# Allegro board C000PD020-3399PRO-DMEB-A-A01.brd (continued)
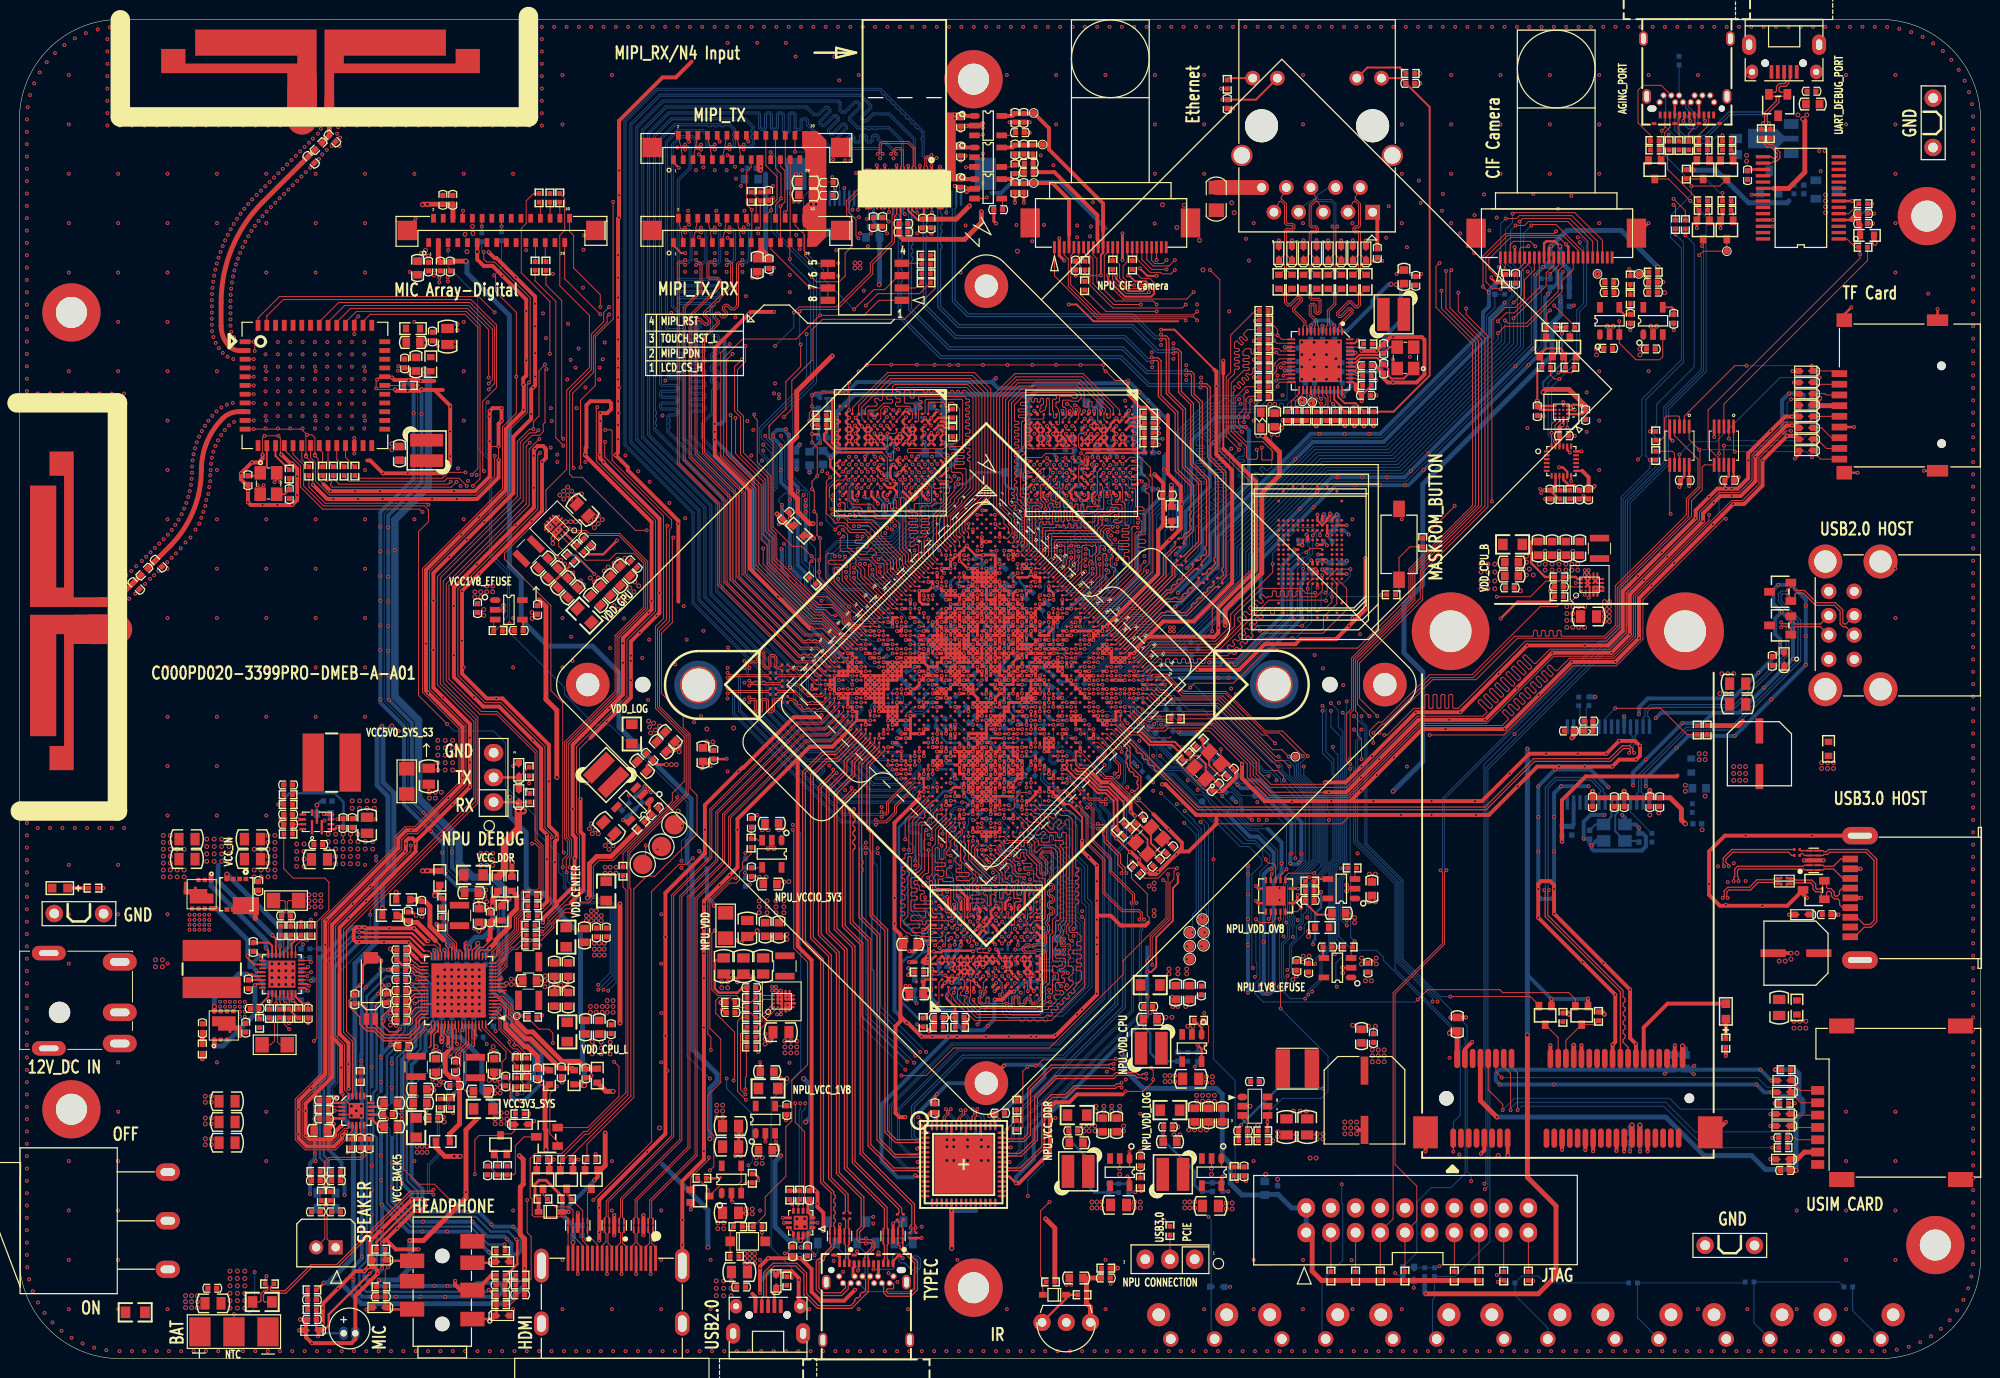
[diagram p0: board, top side]
## Routing (per net, layer and track width the routed paths; a pad name or vN(x,y) marks a point on that pad's centre or on a via; arc(x,y) is an arc through that point) (continued)
PCIE_PERST_3V3_L: length 6
  TOP w0.102: J8300.22 159.13,32.74 Q8300.3 162.09,34.37 R8302.2
PCIE_PERST_L: length 73.2
  TOP w0.102: v1(143.89,36.94) 144.91,37.96 152.32,37.96 152.63,37.65 159.44,37.65 160.11,36.98 Q8300.2 ; U1000.H38 v1(113.74,67.05)
  BOTTOM w0.102: v1(113.74,67.05) 113.74,66.48 114.73,65.49 114.73,64.6 116.28,63.05 116.28,61.86 117.88,60.26 118.78,60.26 121.01,58.02 121.79,58.02 122.35,57.47 122.35,57.31 126.37,53.3 127.13,53.3 128.65,51.78 128.65,51.06 127.64,50.05 127.64,39.08 127.13,38.57 127.13,37.55 127.99,36.69 143.64,36.69 v1(143.89,36.94)
PCIE_PWREN_H: length 68.3
  TOP w0.102: U1000.D36 v1(114.66,69.81) ; v1(129.77,36.03) 129.77,37.76 v1(130.38,38.36)
  TOP w0.254: U8300.4 v1(128.43,24.34) 128.43,23.47 R8309.1
  BOTTOM w0.089: v1(114.66,69.81) 115.12,69.81 115.44,69.49 115.9,69.03 118.27,69.03 118.59,69.35
  BOTTOM w0.102: v1(128.43,24.34) 128.43,25.24 129.97,26.78 133.93,26.78 134.65,27.49 134.65,31.15 v1(129.77,36.03) ; v1(130.38,38.36) 130.38,38.97 130.07,39.28 130.07,42.63 130.68,43.24 130.68,44.36 130.99,44.66 130.99,45.07 130.68,45.38 130.68,48.63 133.32,51.27 133.32,57.14 129.92,60.55 129.92,61.07 129.61,61.38 128.8,61.38 120.78,69.4 118.64,69.4 118.59,69.35
PCIE_REF_CLKN: length 13.2
  TOP w0.102: C9932.2 109.81,57.68 110.02,57.47 110.99,57.47 111.24,57.21 111.62,57.21 111.78,57.06 v1(111.79,57.06) ; U1000.P37 v1(110.52,64.76)
  BOTTOM w0.089: 112.17,62.93 112.15,62.95 112.15,62.95 110.52,64.57 v1(110.52,64.76)
  BOTTOM w0.102: v1(111.79,57.06) 111.99,57.26 112.6,57.26 113.11,57.77 113.11,58.58 113.82,59.29 113.82,61.28 112.17,62.93
PCIE_REF_CLKP: length 13.2
  TOP w0.102: v1(111.79,57.57) 111.63,57.41 111.33,57.41 111.07,57.67 110.11,57.67 109.95,57.83 C9931.2 ; U1000.P36 v1(110.06,65.22)
  BOTTOM w0.089: 112.03,62.79 112.01,62.8 112.01,62.81 111.72,63.1 111.72,63.1 110.06,64.76 v1(110.06,65.22)
  BOTTOM w0.102: 112.03,62.79 113.61,61.2 113.61,59.38 112.9,58.67 112.9,57.85 112.51,57.47 111.89,57.47 v1(111.79,57.57)
PCIE_RX0N: length 63
  TOP w0.089: 112.2,62.96 112.19,62.98 112.18,62.98 111.79,63.37 111.79,63.46 111.41,63.84 U1000.P39
  TOP w0.102: v1(113.05,59.85) 113.31,60.11 113.31,61.12 112.8,61.63 112.8,62.36 112.2,62.96
  BOTTOM w0.102: v1(113.05,59.85) 112.98,59.78 112.76,59.78 112.68,59.7 111.99,59.7 111.38,59.09 111.38,56.96 112.29,56.04 112.29,36.73 107.22,31.66 96.63,31.66 90.55,25.58 90.55,22.21 91.68,21.08 92.51,21.08 92.66,21.23 U9705.38
PCIE_RX0N_S1: length 3.9
  TOP w0.102: U2102.50 96.91,24.47 96.81,24.57 96.81,24.71 97.26,25.16 97.26,25.46 v1(97.36,25.56)
  BOTTOM w0.102: U9705.51 97.91,24.31 97.76,24.45 97.76,24.75 97.26,25.26 97.26,25.46 v1(97.36,25.56)
PCIE_RX0N_S2: length 47
  TOP w0.102: v1(109.86,56.7) 110.07,56.7 110.36,56.41 110.36,53.22 112.19,51.39 112.19,50.07 114.53,47.73 114.53,46.99 v1(114.44,46.9)
  BOTTOM w0.102: v1(114.44,46.9) 114.44,35.84 102.84,24.24 102.84,21.48 102.44,21.08 101.8,21.08 101.65,21.23 U9705.5 ; C1421.2 108.84,58.89 109.25,58.89 109.45,58.68 109.45,57.34 109.9,56.89 109.9,56.75 v1(109.86,56.7)
PCIE_RX0P: length 62.4
  TOP w0.089: 112.06,62.82 112.04,62.83 112.04,62.84 111.51,63.38 U1000.P40
  TOP w0.102: v1(112.7,60.21) 112.75,60.21 112.85,60.31 113,60.31 113.11,60.41 113.11,61.04 112.6,61.55 112.6,62.28 112.06,62.82
  BOTTOM w0.102: U9705.37 92.66,20.73 92.51,20.87 91.6,20.87 90.35,22.13 90.35,25.66 96.55,31.86 107.14,31.86 112.09,36.81 112.09,55.96 111.18,56.87 111.18,59.18 111.9,59.9 112.6,59.9 112.7,60.01 v1(112.7,60.21)
PCIE_RX0P_S1: length 4
  TOP w0.102: U2102.51 96.41,24.47 96.61,24.68 96.61,24.8 97.05,25.23 97.05,25.38 v1(96.86,25.56)
  BOTTOM w0.102: v1(96.86,25.56) 97.05,25.37 97.05,25.17 97.56,24.67 97.56,24.45 97.41,24.29 U9705.50
PCIE_RX0P_S2: length 47.6
  TOP w0.102: v1(114.94,46.9) 114.73,47.11 114.73,47.81 112.4,50.15 112.4,51.47 110.57,53.3 110.57,56.49 110.21,56.85 v1(110.21,57.06)
  BOTTOM w0.102: C1420.2 109.39,59.35 109.39,59.03 109.65,58.77 109.65,57.42 110.02,57.06 v1(110.21,57.06) ; v1(114.94,46.9) 114.64,46.6 114.64,35.75 103.05,24.16 103.05,21.4 102.52,20.87 101.8,20.87 101.65,20.73 U9705.6
PCIE_RX1N: length 2.1
  TOP w0.203: U1000.U36 v1(108.68,63.84)
  BOTTOM w0.089: C9927.2 107.58,63.76 107.94,64.12 108.23,64.12 108.52,63.83 108.67,63.83 v1(108.68,63.84)
PCIE_RX1P: length 2.5
  TOP w0.203: U1000.U37 v1(109.14,63.38)
  BOTTOM w0.089: v1(109.14,63.38) 108.69,63.38 108.14,63.92 108.01,63.92 107.71,63.62 C9928.2
PCIE_TX0N: length 66.6
  TOP w0.102: U1000.R37 v1(109.2,64.3)
  BOTTOM w0.089: 111.39,62.15 111.37,62.16 111.37,62.17 109.72,63.83 109.72,64.4 109.53,64.59 109.33,64.59 109.2,64.46 v1(109.2,64.3)
  BOTTOM w0.102: U9705.34 92.66,19.23 92.51,19.37 91.37,19.37 89.54,21.21 89.54,26.07 95.94,32.47 106.89,32.47 111.48,37.07 111.48,55.25 111.07,55.65 111.07,56.16 110.57,56.67 110.57,59.6 111.58,60.62 111.8,60.62 112.09,60.9 112.09,61.45 111.39,62.15
PCIE_TX0N_S1: length 4.1
  TOP w0.102: v1(95.33,25.66) 95.43,25.57 95.43,25.24 95.05,24.87 95.05,24.62 94.91,24.47 U2102.54
  BOTTOM w0.102: v1(95.33,25.66) 95.43,25.57 95.43,25.57 95.45,25.55 95.45,25.25 96.05,24.65 96.05,24.46 95.91,24.31 U9705.47
PCIE_TX0N_S2: length 48.6
  TOP w0.102: v1(115.74,45.17) 115.54,45.37 115.54,45.88 115.24,46.19 113.51,46.19 111.68,48.02 111.68,51.37 109.96,53.1 109.96,55.92 109.43,56.45 109.43,56.72 109.13,57.01 C1423.2
  BOTTOM w0.102: U9705.9 101.65,19.23 101.8,19.37 102.55,19.37 103.66,20.48 103.66,23.63 115.44,35.42 115.44,43.95 115.6,44.1 115.6,45.02 115.74,45.16 v1(115.74,45.17)
PCIE_TX0P: length 66.8
  TOP w0.102: U1000.R36 v1(108.74,64.76)
  BOTTOM w0.089: 111.53,62.29 111.52,62.31 111.51,62.31 109.91,63.91 109.91,64.48 109.6,64.78 108.76,64.78 v1(108.74,64.76)
  BOTTOM w0.102: 111.53,62.29 112.29,61.53 112.29,60.82 111.89,60.41 111.67,60.41 110.77,59.51 110.77,56.75 111.28,56.25 111.28,55.74 111.68,55.33 111.68,36.98 106.97,32.27 96.02,32.27 89.74,25.99 89.74,21.3 91.46,19.58 92.51,19.58 92.66,19.73 U9705.35
PCIE_TX0P_S1: length 4.2
  TOP w0.102: v1(95.83,25.66) 95.63,25.46 95.63,25.16 95.26,24.78 95.26,24.62 95.41,24.47 U2102.53
  BOTTOM w0.102: v1(95.83,25.66) 95.65,25.48 95.65,25.34 96.26,24.73 96.26,24.43 96.41,24.28 U9705.48
PCIE_TX0P_S2: length 48.1
  TOP w0.102: v1(115.24,45.17) 115.34,45.27 115.34,45.8 115.16,45.98 113.43,45.98 111.48,47.93 111.48,51.29 109.75,53.01 109.75,55.84 109.22,56.37 109.22,56.63 108.99,56.87 C1422.2
  BOTTOM w0.102: v1(115.24,45.17) 115.39,45.02 115.39,44.19 115.24,44.04 115.24,35.5 103.45,23.72 103.45,20.57 102.46,19.58 101.8,19.58 101.65,19.73 U9705.8
PCIE_TX1N: length 5.9
  TOP w0.089: U1000.R39 111.02,63.38 111.81,62.59 111.81,62.57
  TOP w0.102: 111.81,62.57 111.81,62.06 111.35,61.6 v1(111.35,61.46)
  BOTTOM w0.102: C9930.2 109.1,61.23 109.55,60.79 110.48,60.79 111.16,61.46 v1(111.35,61.46)
PCIE_TX1P: length 4.6
  TOP w0.089: U1000.R40 111.21,62.92 111.61,62.52 111.61,62.37 ; v1(110.99,61.82) 111.06,61.82
  TOP w0.102: 111.61,62.37 111.61,62.15 111.28,61.82 111.06,61.82
  BOTTOM w0.102: C9929.2 109.24,61.39 109.63,60.99 110.4,60.99 110.99,61.58 v1(110.99,61.82)
PCIE_WAKE_3V3_L: length 2.4
  TOP w0.102: J8300.1 147.53,21.31 v1(147.55,21.3)
  BOTTOM w0.102: R8301.2 v1(147.55,21.3)
PCIE_WAKE_L: length 81.8
  TOP w0.102: U1000.K32 v1(110.06,68.89)
  S1 w0.089: v1(110.06,68.89) 110.06,69.35 109.74,69.68 109.74,69.95 110.56,70.76 110.86,70.76 111.15,71.06 112.04,71.06 112.24,70.85 112.48,70.85 112.69,71.06 112.96,71.06 113.14,70.87 113.6,70.87 113.79,71.06 116.89,71.06
  S1 w0.102: v1(134.95,67.45) 134.67,67.73 133.26,67.73 132.55,67.02 121.71,67.02 117.67,71.06 116.89,71.06
  BOTTOM w0.102: R8301.1 147.55,24.34 148.26,25.06 148.26,33.08 140.34,41.01 140.34,41.31 139.62,42.02 137.19,42.02 135.76,43.44 135.76,49.44 136.37,50.05 136.37,50.66 136.17,50.86 136.17,64.52 135.71,64.98 135.71,66.69 v1(134.95,67.45)
PHONE_DET_H: length 193.3
  TOP w0.102: U1000.L35 v1(110.98,67.05) ; v1(37.92,9.41) 37.64,9.13 37.64,5.26
  TOP w0.254: 37.64,5.26 37.84,5.06 J7000.5
  S1 w0.102: v1(37.92,9.41) 37.64,9.69 37.64,10.77 46.24,19.37 68.91,19.37 69.52,19.98 71.45,19.98 72.06,19.37 86.89,19.37 88.52,17.74 101.52,17.74 103.76,19.98 119.71,19.98 126.11,26.38 130.07,26.38 136.88,33.18 140.54,33.18 143.69,36.33 145.52,36.33 v1(145.92,36.74) ; v1(138.1,64.73) 137.75,64.38 136.77,64.38 136.58,64.58 126.4,64.58 123.05,61.22 116.36,61.22 113.81,63.78 113.81,64.18 112.73,65.26 112.73,65.97 111.65,67.05 v1(110.98,67.05)
  BOTTOM w0.102: v1(145.92,36.74) 145.92,36.94 141.96,40.9 141.96,49.03 137.69,53.3 137.69,63.49 137.94,63.74 137.94,64.58 v1(138.1,64.73)
PHY_CLKOUT125: length 1.6
  TOP w0.102: R6510.2 137.98,104.08 U6500.46
PHY_INT: length 43.7
  TOP w0.102: U6500.20 130.85,102.04 129.85,102.04 v1(129.79,101.99)
  TOP w0.305: U1000.F23 v1(107.77,74.87)
  S1 w0.102: v1(125.65,98.26) 125.86,98.26 129.59,101.99 v1(129.79,101.99)
  BOTTOM w0.089: 109.14,76.77 107.77,75.39 v1(107.77,74.87)
  BOTTOM w0.102: 109.14,76.77 109.25,76.77 109.86,77.38 113.31,77.38 113.92,77.99 114.33,77.99 117.02,80.68 117.02,86.69 119.61,89.28 119.61,94.99 122.63,98 125.4,98 v1(125.65,98.26) ; v1(129.79,101.99) 129.78,101.98 129.58,101.98 128.59,100.99 R6527.2
PHY_PMEB: length 42.3
  TOP w0.102: U6500.33 134.88,98.51 v1(135.17,98.22) 135.41,97.98 R6526.2 ; U1000.E29 v1(110.98,72.57)
  S1 w0.089: v1(110.98,72.57) 110.98,73.12 111.79,73.92
  S1 w0.102: 111.79,73.92 112.9,73.92 118.9,79.92 120.52,79.92 125.11,84.51 125.11,89.49 133.43,97.8 133.43,98.82 133.73,99.12 134.27,99.12 v1(135.17,98.22)
PHY_RST: length 41.3
  TOP w0.102: U6500.29 133.28,99.06 133.53,98.82 133.53,98.61 133.88,98.26 v1(133.93,98.26) ; U1000.E30 v1(111.44,72.11)
  S1 w0.089: v1(111.44,72.11) 111.9,72.11 113.21,73.42
  S1 w0.102: v1(133.93,98.26) 133.93,97.7 125.4,89.16 125.4,84.39 120.52,79.51 118.9,79.51 113.21,73.82 113.21,73.42
  BOTTOM w0.102: C6512.1 132.51,99.28 132.51,98.82 132.61,98.72 133.43,98.72 133.88,98.26 v1(133.93,98.26)
PHY_RXCLK: length 5.8
  TOP w0.102: U6500.19 130.2,102.48 130.18,102.45 130.12,102.45 v1(130.1,102.42) 130.07,102.45 130.02,102.45 129.99,102.48 129.75,102.48 129.36,102.09 129.36,101.56 128.96,101.15 128.96,99.49 R6539.1
  BOTTOM w0.102: v1(130.1,102.42) 130.1,102.47 130.2,102.58 C6520.1
PHY_RXD0: length 3.9
  TOP w0.102: U6500.14 129.37,104.48 v1(129.06,104.79) 129.06,105.32 R6535.1
  BOTTOM w0.102: R6529.2 128.89,104.91 129.01,104.79 v1(129.06,104.79)
PHY_RXD1: length 3.9
  TOP w0.102: R6524.1 R6536.1 v1(128.96,103.93) 129.56,103.93 129.81,103.68 U6500.16
  BOTTOM w0.102: R6536.1 v1(128.96,103.93)
PHY_RXD2: length 4.8
  TOP w0.102: U6500.17 129.59,103.28 129.34,103.53 v1(129.34,103.54) 129.31,103.52 129.06,103.52 R6519.1 R6537.1
  BOTTOM w0.102: R6519.1 128.64,102.95 129.21,103.52 129.31,103.52 v1(129.34,103.54)
PHY_RXD3: length 5.3
  TOP w0.102: R6538.1 R6520.1 128.49,101.2 129.06,101.76 v1(129.06,102.29) 129.64,102.88 U6500.18
  BOTTOM w0.102: R6521.2 128.76,101.97 129.06,102.27 v1(129.06,102.29)
PHY_RXDV: length 5.8
  TOP w0.102: R6540.1 R6511.1 129.46,105.9 v1(129.46,105.29) 129.88,104.88 U6500.13
  BOTTOM w0.102: v1(129.46,105.29) 129.25,105.29 128.66,105.89 R6512.2
PHY_TXCLK: length 45.5
  TOP w0.102: U6500.22 130.2,101.28 v1(130.07,101.15) ; U1000.G27 v1(109.14,72.57)
  S1 w0.102: v1(128.85,95.06) 128.85,96.68 130.28,98.11 130.28,98.61 130.38,98.72 130.89,98.72 130.99,98.82 130.99,99.43 130.89,99.53 130.68,99.53 130.58,99.63 130.58,100.04 130.68,100.14 130.89,100.14 130.99,100.24 130.99,101.36 130.89,101.46 130.58,101.46 130.28,101.15 v1(130.07,101.15)
  BOTTOM w0.102: v1(109.14,72.57) 109.92,72.57 111.99,74.64 113,74.64 114.48,76.11 116,76.11 122.12,82.23 122.12,85.05 127.46,90.38 127.46,90.53 127.08,90.9 127.08,91.05 127.22,91.19 127.37,91.19 127.74,90.81 127.89,90.81 128.03,90.96 128.03,91.1 127.65,91.48 127.65,91.62 127.8,91.77 127.94,91.77 128.32,91.39 128.46,91.39 128.85,91.78 v1(128.85,95.06)
PHY_TXD0: length 43.8
  TOP w0.102: U1000.D26 v1(110.06,74.41) ; v1(129.35,100.66) 129.46,100.78 130.41,100.78 130.51,100.88 U6500.23
  S1 w0.102: v1(124.69,93.64) 124.41,93.35 124.26,93.35 123.88,93.74 123.88,94.65 124.08,94.85 126.42,94.85 128.04,96.48 128.04,98.31 129.36,99.63 129.67,99.63 129.97,99.93 129.97,100.14 129.45,100.66 v1(129.35,100.66)
  BOTTOM w0.102: v1(124.69,93.64) 124.51,93.46 124.51,89.55 124.22,89.25 123.2,89.25 120.7,86.75 120.7,83.55 119.1,81.95 119.1,80.63 115.24,76.77 114.22,76.77 113.61,76.16 111.3,76.16 110.99,75.84 110.99,75.46 110.77,75.25 110.39,75.25 109.88,74.74 109.88,74.59 v1(110.06,74.41) ; v1(129.35,100.66) 128.69,100.01 R6530.2
PHY_TXD1: length 47.7
  TOP w0.102: v1(129.46,100.04) 129.46,100.24 129.7,100.48 U6500.24
  TOP w0.305: U1000.G23 v1(107.31,74.41)
  S1 w0.102: v1(129.46,100.04) 129.06,100.04 127.74,98.72 127.74,97.7 127.43,97.39 124.81,97.39 124.71,97.5 124.71,97.94 v1(125.5,98.73)
  BOTTOM w0.089: 109.15,77.07 107.52,75.43 107.52,75.14 107.31,74.93 v1(107.31,74.41)
  BOTTOM w0.102: 109.15,77.07 109.67,77.58 113.21,77.58 113.82,78.19 114.12,78.19 116.71,80.78 116.71,86.82 119.3,89.41 119.3,95.16 122.45,98.31 123.47,98.31 123.98,98.82 124.28,98.82 124.79,98.31 125.08,98.31 v1(125.5,98.73) ; R6531.2 129.46,100 v1(129.46,100.04)
PHY_TXD2: length 42.6
  TOP w0.102: U6500.25 131.68,99.31 130.87,98.5 v1(130.87,97.81) R6532.2
  TOP w0.305: U1000.F24 v1(108.22,74.41)
  BOTTOM w0.089: v1(108.22,74.41) 108.68,74.41 109.43,75.16
  BOTTOM w0.102: 109.43,75.16 109.55,75.28 109.55,75.75 110.77,76.97 113.51,76.97 114.12,77.58 114.63,77.58 117.88,80.83 117.88,85.2 118.69,86.02 118.69,87.51 120.22,89.03 120.22,94.68 122.93,97.39 130.45,97.39 v1(130.87,97.81)
PHY_TXD3: length 48.6
  TOP w0.102: R6533.2 v1(131.48,97.88) 131.29,98.06 131.29,98.51 132.08,99.3 U6500.26
  TOP w0.305: U1000.H24 v1(107.31,73.49)
  BOTTOM w0.089: v1(107.31,73.49) 107.42,73.6 107.42,74.06 108.82,75.46 108.82,75.46 109.69,76.33
  BOTTOM w0.102: v1(131.48,97.88) 131.7,98.11 131.7,98.29 131.37,98.61 130.89,98.61 130.48,98.21 130.48,97.8 130.38,97.7 130.18,97.7 130.07,97.8 130.07,98.21 129.97,98.31 129.77,98.31 129.67,98.21 129.67,97.8 129.57,97.7 122.81,97.7 119.91,94.81 119.91,89.16 118.29,87.54 118.29,86.83 118.19,86.73 117.48,86.73 117.37,86.62 117.37,86.4 117.45,86.32 118.08,86.32 118.19,86.22 118.19,86.02 118.08,85.91 117.48,85.91 117.37,85.81 117.37,80.73 114.43,77.79 114.02,77.79 113.41,77.18 110.53,77.18 109.69,76.33
PHY_TXEN: length 49.4
  TOP w0.089: U1000.H23 v1(106.85,73.95)
  TOP w0.102: U6500.27 132.48,98.72 132.38,98.61 v1(132,98.61)
  BOTTOM w0.089: 109.25,77.48 107.32,75.55 107.32,75.25 106.85,74.78 v1(106.85,73.95)
  BOTTOM w0.102: v1(132,98.61) 131.9,98.61 131.29,99.22 131.29,100.53 131.07,100.75 130.68,100.75 130.43,100.49 130.43,98.77 130.28,98.61 128.35,98.61 127.69,97.95 126.87,97.95 125.7,99.12 122.86,99.12 119,95.26 119,89.54 116.41,86.95 116.41,80.88 114.12,78.6 113.92,78.6 113.11,77.79 109.55,77.79 109.25,77.48
PHY_XTAL1: length 8.5
  TOP w0.203: U6500.42 137.49,102.48 138,102.98 139.72,102.98 C6500.1 140.86,101.84 140.86,101.18 141.2,100.85 142.44,100.85 Y6500.1
PHY_XTAL2: length 5.4
  TOP w0.203: Y6500.3 141.02,104.08 C6501.1 140.23,103.29 137.87,103.29 137.46,102.88 U6500.43
PMIC_INT_L: length 131
  TOP w0.102: U?.7 49.14,37.18 49.25,37.07 49.61,37.07 50.57,36.1 50.57,35.65 50.98,35.24 TP2100.1 ; U1000.A38 116.64,70.42 118.08,70.42 119.86,68.64 124.16,68.64 128.23,64.58 129.97,64.58 v1(132.56,61.99)
  S1 w0.102: v1(51.21,35.24) 51.69,35.72 55.8,35.72 59.16,39.08 68.4,39.08 72.47,35.01 90.04,35.01 90.75,35.72 106.52,35.72 113.74,42.94 118.69,42.94 120.02,44.26 124.28,44.26 125.63,45.6 132.28,45.6 v1(132.51,45.38)
  BOTTOM w0.102: v1(132.56,61.99) 131.8,61.22 131.8,60.11 134.34,57.57 134.34,50.25 132.61,48.52 132.61,45.48 v1(132.51,45.38)
PMIC_SLEEP_H: length 141.8
  TOP w0.102: U1000.B40 117.31,68.54 117.78,68.54 118.54,67.78 123.42,67.78 129.26,61.94 v1(129.57,61.94) ; U?.49 41.23,35.78 40.46,35.01 40.46,34.5 40.26,34.3 38.84,34.3 38.79,34.25 v1(38.74,34.25)
  S1 w0.102: v1(38.74,34.25) 38.79,34.3 39.34,34.3 39.95,33.69 41.58,33.69 43.1,35.22 48.29,35.22 48.69,34.81 55.3,34.81 59.36,38.87 68.3,38.87 72.36,34.81 90.14,34.81 90.86,35.52 106.61,35.52 113.82,42.73 118.95,42.73 119.66,43.44 123.77,43.44 125.2,44.87 129.87,44.87 130.28,45.27 131.39,45.27 v1(131.55,45.12)
  BOTTOM w0.102: v1(129.57,61.94) 129.97,61.53 130.58,61.53 131.19,60.92 131.19,59.85 133.73,57.31 133.73,51.06 131.09,48.42 131.09,45.58 v1(131.55,45.12) ; TP2102.1 38.94,34.45 v1(38.74,34.25)
PORT_CEC: length 7.7
  TOP w0.102: Q8202.3 58.46,17.07 U8200.1 U8200.10 58.46,12.75 59.46,11.75 J8200.13
PORT_HPD: length 48.9
  TOP w0.102: R1701.2 62.1,48.52 62.41,48.22 62.41,27.36 58.41,23.36 58.07,23.36 55.8,21.09 53.06,21.09 52.55,20.58 52.55,16.62 52.76,16.42 52.76,14.79 52.96,14.59 56.21,14.59 56.46,14.34 U8200.5 U8200.6 J8200.19
PWRON: length 253.5
  TOP w0.102: v1(44.32,16.11) 44.32,16.32 42.7,17.94 41.07,17.94 39.55,19.47 39.55,23.84 39.7,23.99 39.7,26.99 39.55,27.14 39.55,31.56 39.95,31.96 C2143.1 40.11,32.09 41.86,33.84 42.22,33.84 42.39,34.02 U?.52 ; Q9705.3 173.25,114.57 v1(173.15,114.46)
  S1 w0.102: v1(44.32,16.11) 46.76,18.55 48.69,18.55 48.9,18.76 86.18,18.76 87.81,17.13 104.17,17.13 106.71,14.59 v1(122.35,14.59) 128.96,14.59 131.6,17.23 148.67,17.23 148.97,17.54 150.7,17.54 v1(150.8,17.44)
  BOTTOM w0.102: SW2101.2 122.98,2.59 122.63,2.93 ED2101.1 122.63,14.31 v1(122.35,14.59) ; v1(173.15,114.46) 173.3,114.32 173.3,101.67 169.43,97.81 169.43,92.12 165.47,88.16 165.47,75.35 150.9,60.78 150.9,30.03 151.1,29.83 151.1,17.74 v1(150.8,17.44)
RECOVERY: length 135.6
  TOP w0.102: Q9703.3 169.69,121.38 v1(171.93,119.14)
  BOTTOM w0.102: v1(171.93,119.14) 173.56,117.51 173.56,101.56 169.7,97.7 169.7,92.01 165.74,88.05 165.74,75.25 151.1,60.62 151.1,30.12 151.31,29.91 151.31,12.05 147.71,8.45 R1501.2 145.62,6.26 145.42,6.06 145.42,2.43 SW1500.2
REFCLK_OUT: length 9.1
  TOP w0.089: U1000.W40 110,61.08 110.16,60.92
  TOP w0.102: C1130.2 115.56,56.44 112.29,59.7 111.63,59.7 110.41,60.92 110.16,60.92
RESET_L: length 296.9
  TOP w0.102: v1(46.86,18.96) 46.86,22.52 47.31,22.96 Q2100.3 49.67,23.12 50.62,23.12 50.98,23.49 ED2100.1 50.98,25.13 R2128.2 51.04,26.24 50.49,26.78 50.49,28.5 C2142.1 49.66,29.34 49.66,30.51 50.06,30.91 50.06,31.61 47.64,34.04 47.64,34.38 U?.67 ; U1000.J40 113.74,65.67 v1(114.02,65.39) ; Q9706.3 175.69,115.19 TP1100.1 173.25,113.96 v1(172.85,113.55)
  S1 w0.089: v1(114.02,65.39) 113.92,65.29 113.92,64.88 114.02,64.78
  S1 w0.102: v1(153.85,64.27) 146.33,64.27 145.52,65.09 137.19,65.09 137.09,64.98 125.15,64.98 122.76,62.6 117.32,62.6 115.44,64.48 114.22,64.48 114.02,64.68 114.02,64.78 ; v1(46.86,18.96) 86.28,18.96 87.91,17.33 106.1,17.33 106.71,16.72 130.38,16.72 131.6,17.94 v1(136.07,17.94) 148.36,17.94 149.17,18.76 149.99,18.76 v1(150.75,17.99)
  BOTTOM w0.102: SW2100.2 134.04,2.38 134.04,7.99 136.17,10.12 136.17,15.9 136.07,16 v1(136.07,17.94) ; C1100.2 113.76,65.65 v1(114.02,65.39) ; v1(150.75,17.99) 150.9,18.15 150.9,29.73 150.7,29.93 150.7,61.12 v1(153.85,64.27) 162.99,73.41 163.19,73.41 165.23,75.45 165.23,88.26 169.19,92.22 169.19,97.91 173.06,101.77 173.06,113.34 v1(172.85,113.55)
RREF: length 4.1
  BOTTOM w0.102: R2800.2 165.78,56.25 U2800.4
RSET: length 1.4
  TOP w0.102: U6500.39 137.37,101.28 137.49,101.15 R6517.1
SBU1: length 2.7
  TOP w0.102: J9702.A8 170.83,127.58 170.77,127.52 R9714.1
SDIO0_CLK: length 1.2
  TOP w0.102: U1000.AG7 v1(89.84,72.57)
  BOTTOM w0.089: v1(89.84,72.57) 89.56,72.29 R6111.2
SDIO0_CMD: length 74.3
  TOP w0.102: v1(42.09,87.87) 41.94,88.02 31.46,88.02 29.78,89.69 R6110.2 ; U1000.AF7 v1(90.3,73.03)
  S1 w0.089: 86.59,74.33 87.1,74.33 89.18,72.24 89.98,72.24 90.3,72.57 v1(90.3,73.03)
  S1 w0.102: 86.59,74.33 84.56,74.33 83.54,75.35 82.73,75.35 81.74,76.34 74.61,76.34 59.8,91.15 48.77,91.15 47.95,91.96 44.63,91.96 42.09,89.42 v1(42.09,87.87)
SDIO0_D0: length 75.3
  TOP w0.102: v1(46.03,89.8) 45.24,90.59 44.02,90.59 43.71,90.28 33.86,90.28 33.41,90.73 R6106.2 ; U1000.AD8 v1(91.68,73.49)
  S1 w0.089: 82.58,71.54 83.34,70.78 83.85,70.78 85.38,69.24 85.38,69.22 85.57,69.03 85.59,69.03 85.84,68.78 85.84,68.76 86.03,68.57 86.3,68.57 86.57,68.84 86.67,68.84 86.95,68.57 87.22,68.57 87.49,68.84 87.59,68.84 87.87,68.57 88.14,68.57 88.41,68.84 88.43,68.84 88.52,68.93 88.52,68.95 88.6,69.03 89.71,70.14 89.98,70.14 90.17,69.95 90.64,69.95 91.36,70.67 92.08,70.67 92.46,71.06 92.46,71.33 92.27,71.51 92.25,71.51 92.18,71.59 92.18,72.71 91.68,73.2 v1(91.68,73.49)
  S1 w0.102: 82.58,71.54 82.22,71.89 75.56,71.89 59.82,87.64 45.95,87.64 45.44,88.15 45.44,89.22 v1(46.03,89.8)
SDIO0_D1: length 72.8
  TOP w0.102: v1(45.9,91.2) 44.12,91.2 43.51,90.59 34.8,90.59 R6107.2 ; U1000.AK6 v1(88,71.65)
  S1 w0.089: v1(88,71.65) 86.92,71.65 85.46,73.11 84.15,73.11
  S1 w0.102: v1(45.9,91.2) 46.15,91.45 47.17,91.45 48.08,90.54 58.61,90.54 76.03,73.11 76.39,73.11 76.49,73.21 76.49,73.7 76.6,73.8 76.8,73.8 76.9,73.7 76.9,73.21 77,73.11 77.21,73.11 77.31,73.21 77.31,73.7 77.41,73.8 77.61,73.8 77.71,73.7 77.71,73.21 77.82,73.11 78.02,73.11 78.12,73.21 78.12,73.7 78.22,73.8 78.43,73.8 78.53,73.7 78.53,73.21 78.63,73.11 78.83,73.11 78.93,73.21 78.93,73.7 79.03,73.8 79.24,73.8 79.34,73.7 79.34,73.21 79.44,73.11 79.64,73.11 79.75,73.21 79.75,73.7 79.85,73.8 80.05,73.8 80.15,73.7 80.15,73.21 80.25,73.11 80.46,73.11 80.56,73.21 80.56,73.7 80.66,73.8 80.86,73.8 80.97,73.7 80.97,73.21 81.07,73.11 81.27,73.11 81.37,73.21 81.37,73.7 81.47,73.8 81.68,73.8 81.78,73.7 81.78,73.21 81.88,73.11 82.08,73.11 82.18,73.21 82.18,73.7 82.29,73.8 82.49,73.8 82.59,73.7 82.59,73.21 82.69,73.11 82.9,73.11 83,73.21 83,73.7 83.1,73.8 83.3,73.8 83.4,73.7 83.4,73.21 83.51,73.11 84.15,73.11
SDIO0_D2: length 74.1
  TOP w0.102: v1(44.37,90.24) 44.12,89.98 32.89,89.98 32.3,90.57 R6108.2
  TOP w0.305: U1000.AG8 v1(90.3,72.11)
  S1 w0.089: 86.79,74.03 87.16,74.03 88.69,72.5 89.11,72.08 90.05,72.08 90.08,72.11 v1(90.3,72.11)
  S1 w0.102: v1(44.37,90.24) 45.81,91.68 47.95,91.68 48.68,90.94 59.72,90.94 74.7,75.96 75.08,75.96 75.19,75.86 75.19,75.55 75.29,75.45 75.49,75.45 75.59,75.55 75.59,75.86 75.69,75.96 75.9,75.96 76,75.86 76,75.55 76.1,75.45 76.3,75.45 76.4,75.55 76.4,75.86 76.51,75.96 76.71,75.96 76.81,75.86 76.81,75.55 76.91,75.45 77.12,75.45 77.22,75.55 77.22,75.86 77.32,75.96 77.52,75.96 77.62,75.86 77.62,75.55 77.73,75.45 77.93,75.45 78.03,75.55 78.03,75.86 78.13,75.96 78.33,75.96 78.44,75.86 78.44,75.55 78.54,75.45 78.74,75.45 78.84,75.55 78.84,75.86 78.94,75.96 79.15,75.96 79.25,75.86 79.25,75.55 79.35,75.45 79.55,75.45 79.66,75.55 79.66,75.86 79.76,75.96 79.96,75.96 80.06,75.86 80.06,75.55 80.16,75.45 80.37,75.45 80.47,75.55 80.47,75.86 80.57,75.96 80.77,75.96 80.87,75.86 80.87,75.55 80.98,75.45 81.18,75.45 81.28,75.55 81.28,75.86 81.38,75.96 81.61,75.96 82.52,75.04 83.34,75.04 84.35,74.03 86.79,74.03
SDIO0_D3: length 75.4
  TOP w0.102: U1000.AE8 v1(91.22,73.03) ; v1(44.98,90.21) 44.44,89.67 32.18,89.67 32,89.85 32,90 32.11,90.11 32.11,90.25 31.97,90.39 31.82,90.39 31.71,90.28 31.57,90.28 31.2,90.66 R6109.2
  S1 w0.089: v1(91.22,73.03) 91.22,72.57 91.54,72.24 91.54,71.98 91.08,71.52 90.43,70.87 90.16,70.87 89.97,71.06 89.71,71.06 89.52,70.87 89.24,70.87 89.06,71.06 88.79,71.06 87.68,69.95 87.4,69.95 87.22,70.14 86.95,70.14 86.76,69.95 86.49,69.95 86.47,69.96 86.47,69.96 85.84,70.6 85.55,70.6 84.76,71.38 83.64,71.38 83.03,71.99
  S1 w0.102: 83.03,71.99 82.51,72.51 75.86,72.51 58.29,90.08 54.18,90.08 54.03,89.93 54.03,89.01 53.37,88.35 48.62,88.35 46.28,90.69 45.46,90.69 v1(44.98,90.21)
SDIO_CLK: length 78.8
  TOP w0.102: U6100.18 29.95,92.71 30.45,92.21 30.45,90.31 31.91,88.86 46.99,88.86 48.9,90.76 48.9,92.87 v1(48.91,92.88)
  S1 w0.102: v1(78.66,83.83) 78.16,84.34 74.85,84.34 62.31,96.89 52.91,96.89 v1(48.91,92.88)
  BOTTOM w0.102: v1(78.66,83.83) 78.87,83.63 78.87,81.34 79.88,80.33 79.88,79.72 81.61,77.99 81.92,77.99 83.85,76.06 84.35,76.06 85.88,74.53 86.69,74.53 88.3,72.92 R6111.1
SDIO_CMD: length 2.5
  TOP w0.102: R6110.1 29.05,92.5 U6100.17
SDIO_D0: length 2.5
  TOP w0.102: U6100.21 32.65,92.53 R6106.1
SDIO_D1: length 2.6
  TOP w0.102: R6107.1 33.55,92.74 U6100.22
SDIO_D2: length 2.4
  TOP w0.102: R6108.1 31.75,92.32 U6100.20
SDIO_D3: length 2.3
  TOP w0.102: R6109.1 31.2,93.25 30.85,93.59 U6100.19
SDMMC0_CLK: length 4.4
  TOP w0.102: R9100.1 118.45,65.8 116.66,65.8 116.41,65.54 116.1,65.54 115.95,65.7 115.56,65.7 U1000.G40
SDMMC0_CMD: length 117.4
  TOP w0.102: v1(182.3,98.72) 184.35,98.72 184.46,98.82 ED9104.1 185.78,99.29 185.92,99.16 J9100.3 ; v1(182.3,95.46) 181.79,95.46 179,92.67 179,89.99 177.31,88.3 176.19,88.3 166.28,78.39 166.28,74.28 164.06,72.06 159.5,72.06 158.22,70.78 158.08,70.78 157.51,71.35 157.37,71.35 157.22,71.2 157.22,71.06 157.79,70.49 157.79,70.35 157.65,70.21 157.5,70.21 156.94,70.77 156.79,70.77 156.65,70.63 156.65,70.49 157.22,69.92 157.22,69.77 157.07,69.63 156.93,69.63 156.36,70.2 156.22,70.2 156.07,70.05 156.07,69.91 156.64,69.34 156.64,69.2 156.5,69.06 156.35,69.06 155.79,69.62 155.64,69.62 155.5,69.48 155.5,69.34 156.07,68.77 156.07,68.62 155.92,68.48 155.78,68.48 155.21,69.05 155.07,69.05 154.92,68.9 154.92,68.76 155.49,68.19 155.49,68.05 155.35,67.91 155.2,67.91 154.64,68.47 154.49,68.47 154.35,68.33 154.35,68.19 154.92,67.62 154.92,67.47 154.77,67.33 154.63,67.33 154.06,67.9 153.92,67.9 153.77,67.75 153.77,67.61 154.34,67.04 154.34,66.9 154.2,66.76 154.05,66.76 153.49,67.32 153.34,67.32 153.2,67.18 153.2,67.04 153.77,66.47 153.77,66.32 153.62,66.18 153.48,66.18 152.91,66.75 152.77,66.75 152.62,66.6 152.62,66.46 153.19,65.89 153.19,65.75 152.59,65.15 144.21,65.15 136.78,57.72 128.44,57.72 126.34,59.82 126.34,61.2 122.66,64.88 118.19,64.88 117.88,64.58 116.15,64.58 115.54,65.19 115.15,65.19 U1000.H40
  BOTTOM w0.102: v1(182.3,95.46) 181.89,95.87 181.89,98.31 v1(182.3,98.72)
